# Altium PCB Comparator2.0.PcbDoc
Units mil, origin at the board's own origin, x right, y up, seen from the top; angles counter-clockwise.
Board outline 1939 x 1842 mil, 2 copper layers (Top Layer, Bottom Layer); 36 components, 18 nets, 129 pads, 168 vias.
Unrouted connection lines stored in the file: 20.
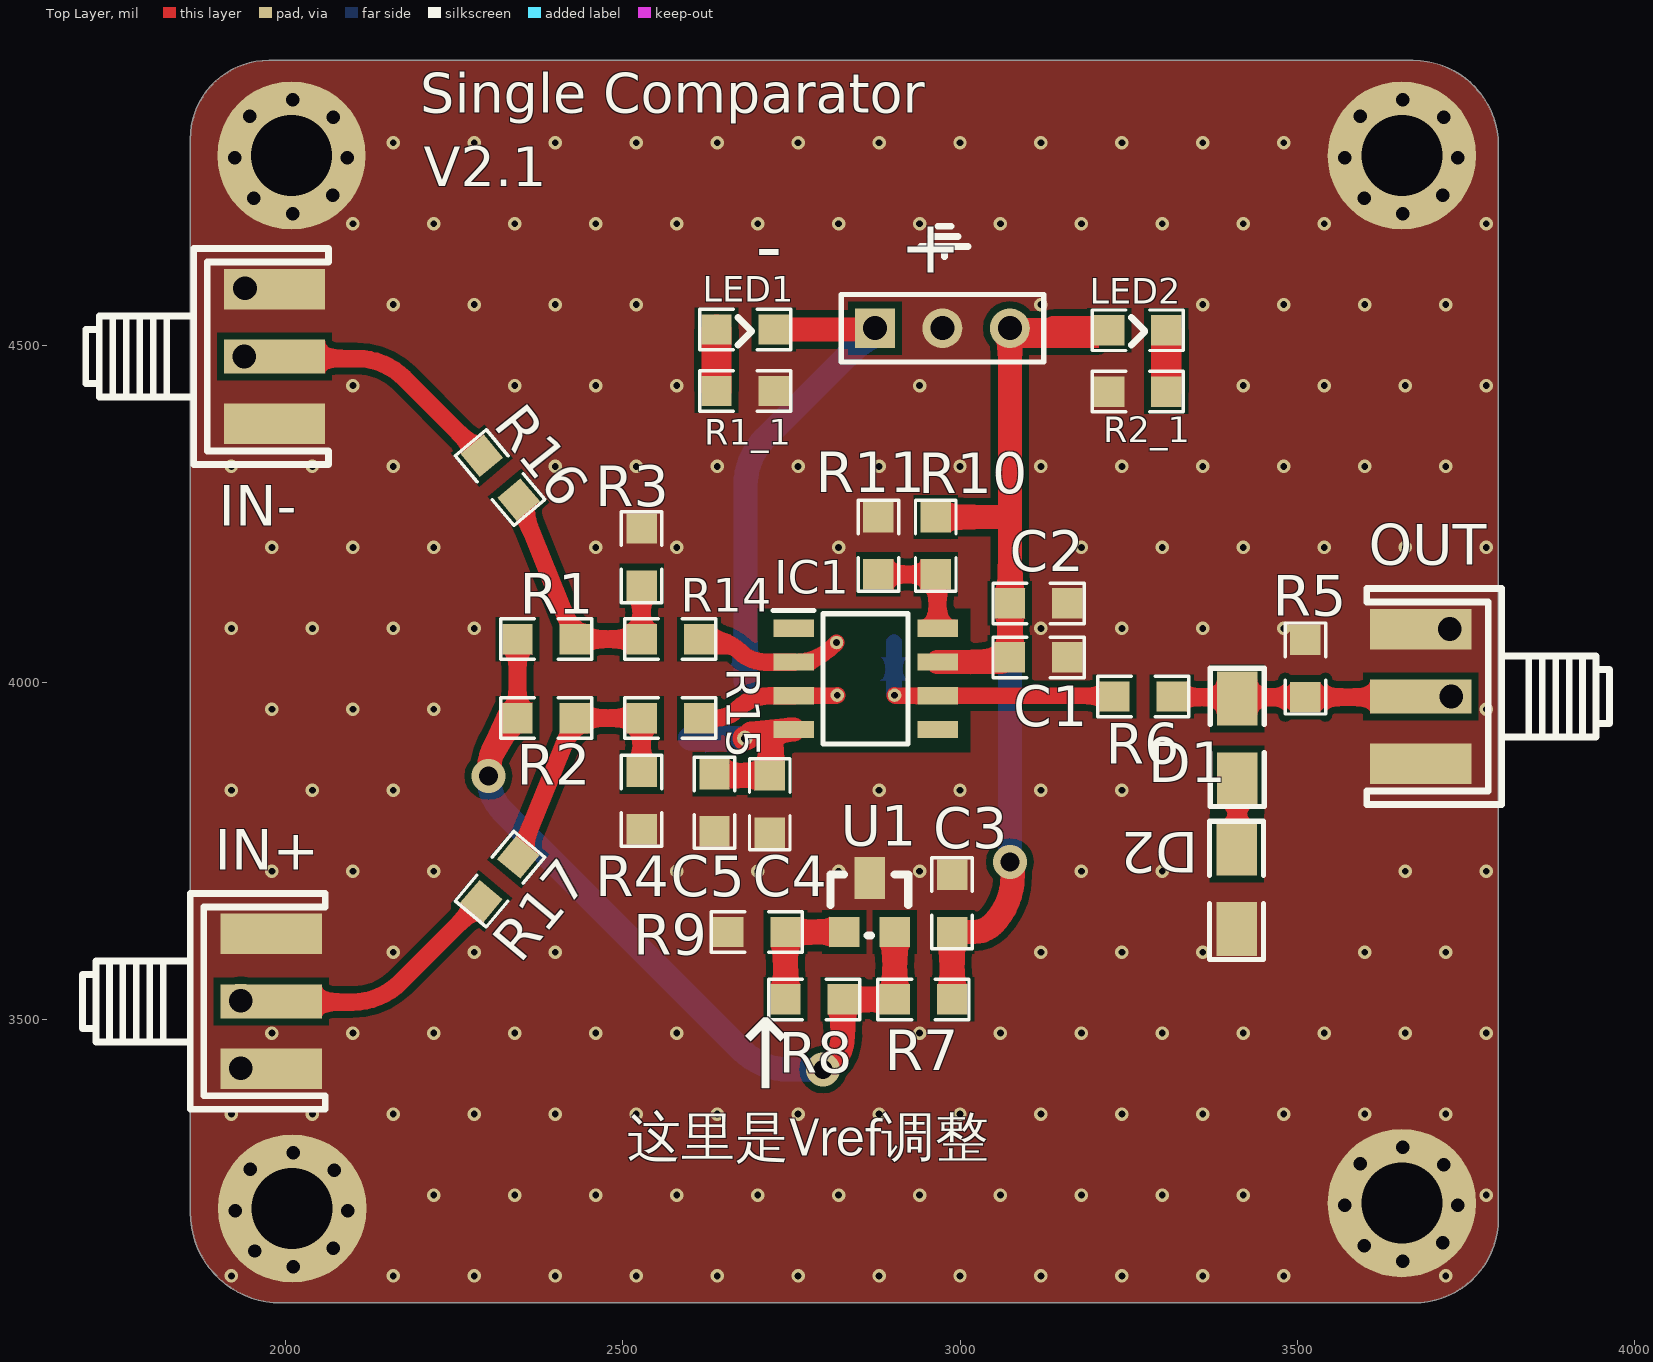
[diagram p0: Top Layer view]
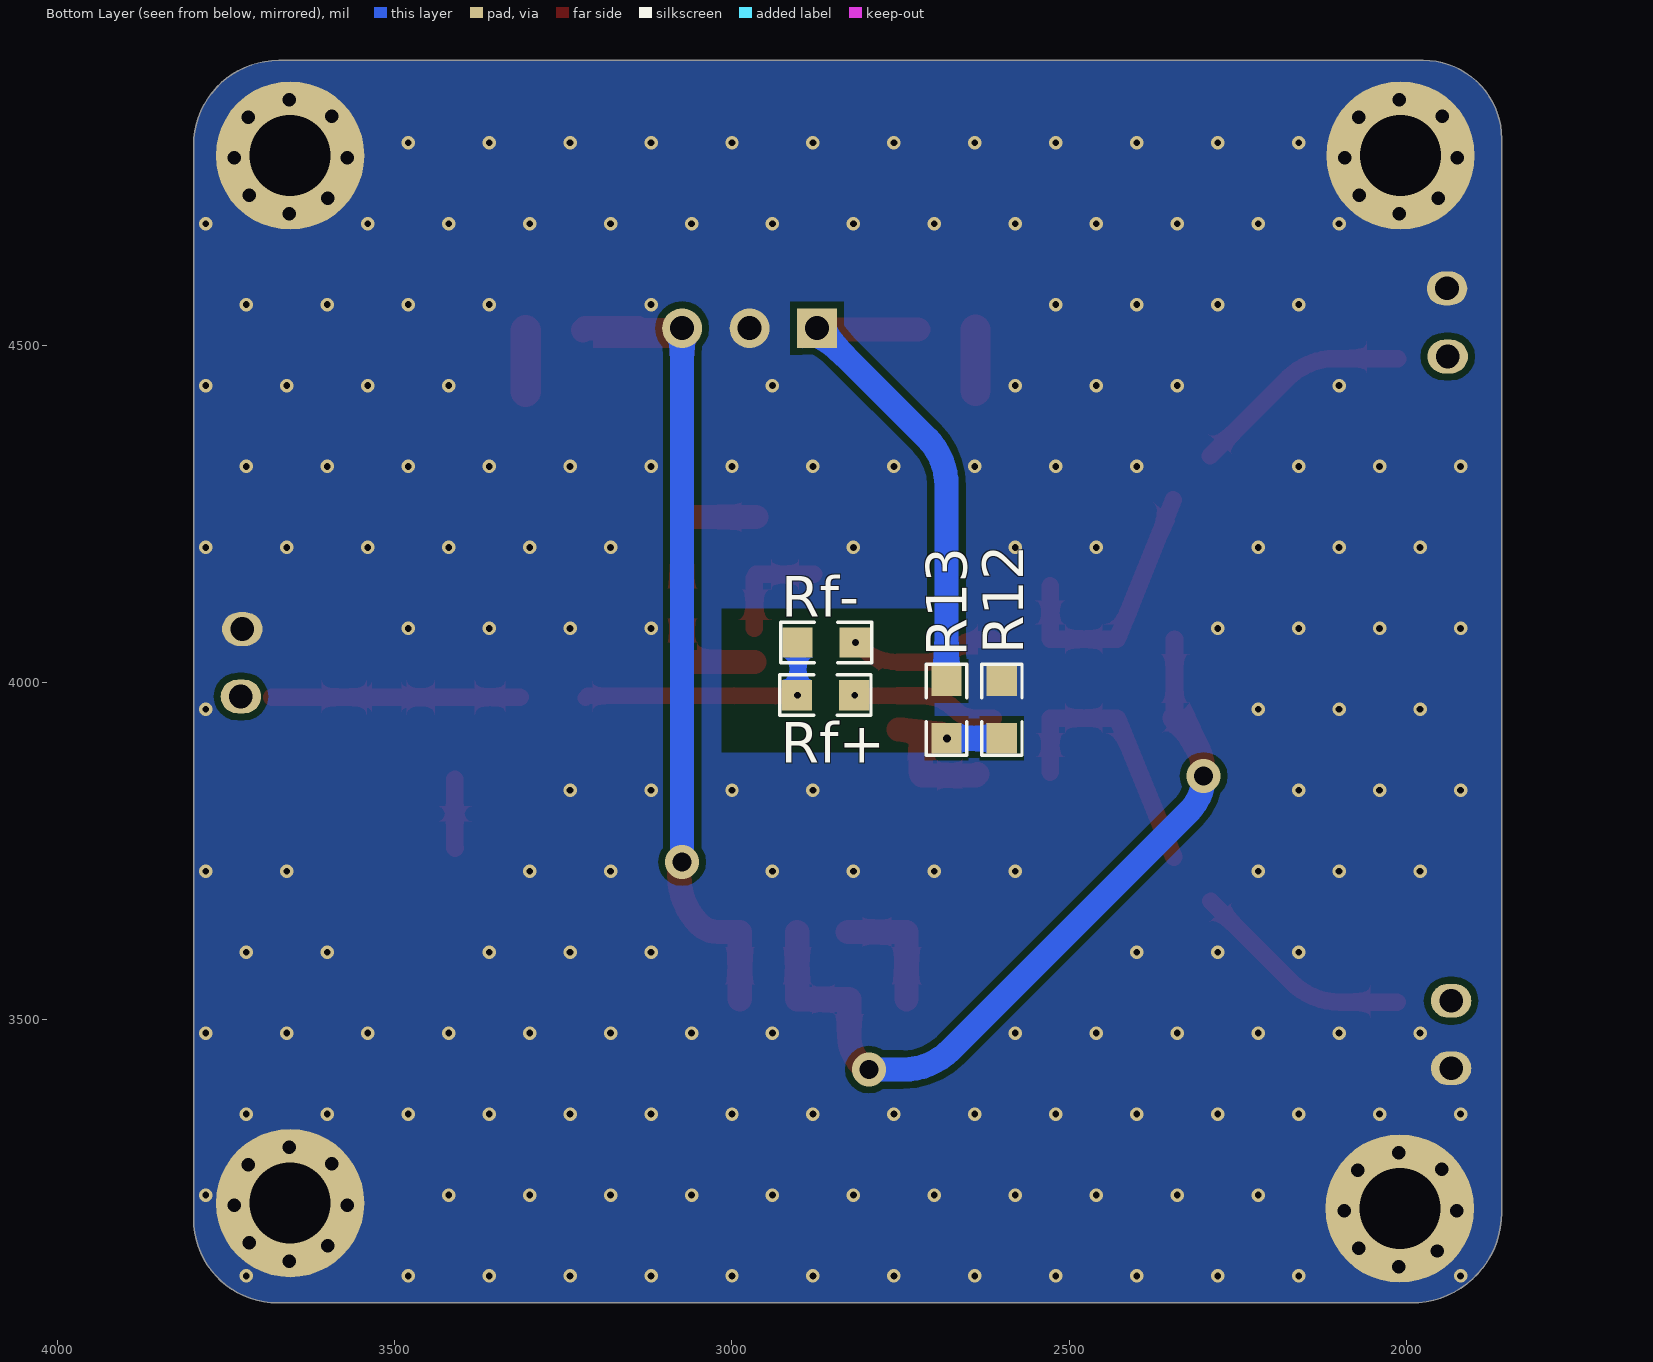
[diagram p1: Bottom Layer view, seen from below]

## Layer stack, top to bottom
Top Solder: solder mask 0.4, Solder Resist, Dk 3.5
Top Layer: signal copper 1.4
Dielectric 1: dielectric 12.6, FR-4, Dk 4.8
Bottom Layer: signal copper 1.4
Bottom Solder: solder mask 0.4, Solder Resist, Dk 3.5

## Board outline
1992.96,3080 cw(c1992.96,3213.96) 1859,3213.96 1859,4805.94 cw(c1975.06,4805.94) 1975.06,4922 3671.98,4922 cw(c3671.98,4795.98) 3798,4795.98 3798,3204.58 cw(c3673.42,3204.58) 3673.42,3080

## Design rules (kind name [scope] priority, off if disabled: settings)
Clearance [All] p1: gap=10 ignorepadtopadclearanceinfootprint=FALSE except(0: Arc-Hole Track-Hole SMDPad-Hole THPad-Hole Via-Hole Fill-Hole Poly-Hole Region-Hole Text-Hole)
PlaneConnect [All] p1: planeconnectstyle=Direct reliefexpansion=20 reliefentries=4 reliefconductorwidth=10 reliefairgap=10
PolygonConnect [All] p1: connectstyle=Direct reliefconductorwidth=10 reliefentries=4 polygonreliefangle="90 Angle" airgapwidth=10
RoutingVias [All] p1: holewidth=28 width=50 viastyle="Through Hole" minholewidth=10 minwidth=10 maxholewidth=50 maxwidth=60
SolderMaskExpansion [All] p1: expansion=4
Width [All] p1: maxlimit=50 minlimit=10 preferedwidth=26 minimp=50.000000 maximp=50.000000 favimp=50.000000
29 further rules are at their usual default settings.

## Classes and differential pairs
component class Comparator: C1 C2 C3 C4 C5 D1 D2 IC1 IN- R1 R2 R3 R4 R5 R6 R7 R8 R9 R10 R11 R12 R13 R14 R15 R16 R17 U1

## Components (designator, comment, footprint, x,y, rotation, side; value= is the part's Value field where it differs from the comment)
"-     +" "Header 3" HDR1X3 2874,4525 r0 top (schematic designator P2)
C1 "Cap" 0805D 3079,4037 r0 top value=0.1u
C2 "Cap" 0805D 3079,4117 r0 top value=2.2u
C3 "Cap" 0805D 2988.31,3710 r270 top value=2.2u
C4 "Cap" 0805D 2718,3857 r270 top value=0.1u
C5 "Cap" 0805D 2636,3859 r270 top value=2.2u
D1 "Diode" 1206A 3411,3996 r270 top
D2 "Diode" 1206A 3410,3614 r90 top
IC1 "TLV3501AID" SOIC127P600X175-8N 2860,4005 r0 top
IN+ "SMA" SMA1 1979,3627 r0 top (schematic designator P7)
IN- "SMA" SMA1 1984,4583 r0 top (schematic designator P5)
LED1 "" 0805D 2644,4523 r0 top
LED2 "" 0805D 3226,4522 r0 top
OUT "SMA" SMA1 3683,3879 r180 top (schematic designator P6)
R1 "Res3" 0805D 2424,4064 r180 top value=3K
R1_1 "Res3" 0805D 2719,4432 r180 top value=1k (schematic designator R1)
R2 "Res3" 0805D 2424,3947 r180 top value=3K
R2_1 "Res3" 0805D 3226,4431 r0 top value=1k (schematic designator R2)
R3 "Res3" 0805D 2528,4223 r270 top value=50
R4 "Res3" 0805D 2528,3787 r90 top value=50
R5 "Res3" 0805D 3512,4058 r270 top value=50
R6 "Res3" 0805D 3309,3979 r180 top value=50
R7 "Res3" 0805D 2983.31,3530 r180 top value=430
R8 "Res3" 0805D 2746.31,3530 r0 top value=3K
R9 "Res3" 0805D 2661.31,3630 r0 top value=470
R10 "Res3" 0805D 2964,4240 r270 top value=0
R11 "Res3" 0805D 2879,4240 r270 top value=0
R12 "Res3" 0805D 2600,3997 r270 bottom value=0
R13 "Res3" 0805D 2682,3997 r270 bottom value=0
R14 "Res3" 0805D 2608,4064 r180 top value=0
R15 "Res3" 0805D 2608,3947 r180 top value=0
R16 "Res3" 0805D 2342.42,4274.72 r130 top value=0
R17 "Res3" 0805D 2342,3737 r230 top value=0
Rf+ "Res3" 0805D 2899,3981 r180 bottom value=3K (schematic designator Rf)
Rf- "Res3" 0805D 2898,4059 r180 bottom value=3K (schematic designator Rf)
U1 "TL431_C963380" SOT-23 2828.31,3630 r0 top

## Footprints (in the part's own frame and the unit in brackets; to place one, negate y for a bottom-side part, rotate by r counter-clockwise, add the part's x,y. Pads: shape width x height; smd on the part's side, far side on the other; paste and mask are expansions set on the pad)
0805D [mil]
  rect 45x45 smd: 1(-5,0) 2(80,0)
  silkscreen extent -30,-30 105,30
1206A [mil]
  rect 80x60 smd: 1(20,0) 2(140,0)
  silkscreen extent -25,-40 180,40
HDR1X3 [mm] "Connector; Header; 3 Position"
  rect 1.5x1.5 hole 0.9: 1(0,0)
  round 1.5 hole 0.9: 2(2.54,0) 3(5.08,0)
  silkscreen extent -1.27,-1.27 6.35,1.27
SMA1 [mil]
  rect 150x50 smd: 1(0,-100)
  rect 150x60 smd: 2(0,-200) 2(0,0)
  silkscreen extent -280,-260 80,60
SOIC127P600X175-8N [mm]
  rect 1.525x0.65 smd: 1(-2.712,1.905) 2(-2.712,0.635) 3(-2.712,-0.635) 4(-2.712,-1.905) 5(2.712,-1.905) 6(2.712,-0.635) 7(2.712,0.635) 8(2.712,1.905)
  silkscreen extent -3.47,-2.45 1.6,2.58, body extent -3,-2.45 3,2.45, height 1.75
SOT-23 [mil]
  rect 45x45 smd: B(0,0) E(75,0)
  rect 45x62 smd: C(38,80)
  silkscreen extent -20,-5 95,85

## Part data
"-     +": "Header, 3-Pin", LatestRevisionDate=17-Jul-2002, LatestRevisionNote="Re-released for DXP Platform.", Publisher="Altium Limited"
C1 C2 C3 C4 C5: "Capacitor", LatestRevisionDate=17-Jul-2002, LatestRevisionNote="Re-released for DXP Platform.", PackageDescription="Radial Cap, Thru-Hole; 2 Leads; 0.3 in Pin Spacing", PackageReference=RAD-0.3, Published=8-Jun-2000, Publisher="Altium Limited"
D1 D2: "Default Diode", Code_JEDEC=DO-214-AB, LatestRevisionDate=17-Jul-2002, LatestRevisionNote="Re-released for DXP Platform.", PackageDescription="DO-214-AB/SMC; 2 C-Bend Leads; Body 7.9 x 5.9 mm, inc. leads (LxW)", PackageReference=SMC, PackageVersion=Sep-1996, Published=8-Jun-2000, Publisher="Altium Limited"
IC1: "Integrated Circuit", Manufacturer_Name="Texas Instruments", Mouser Part Number=595-TLV3501AID, Arrow Part Number=TLV3501AID, Arrow Price/Stock=https://www.arrow.com/en/products/tlv3501aid/texas-instruments, Datasheet Link=http://www.ti.com/lit/ds/symlink/tlv3501.pdf, Height=1.75mm, Manufacturer_Part_Number=TLV3501AID, Mouser Price/Stock=https://www.mouser.co.uk/ProductDetail/Texas-Instruments/TLV3501AID?qs=m96fseALk3X7x6f01EkGWg%3D%3D
IN+ IN- OUT: library part BNC, "BNC Elbow Connector", LatestRevisionDate=17-Jul-2002, LatestRevisionNote="Re-released for DXP Platform.", Publisher="Altium Limited"
LED1 LED2: library part LED-SMD, "贴片LED"
R1 R1_1 R2 R2_1 R3 R4 R5 R6 R7 R8 R9 R10 R11 R12 R13 R14 R15 R16 R17 Rf+ Rf-: "Resistor", LatestRevisionDate=29-May-2009, LatestRevisionNote="IPC-7351 Footprint Added.", PackageDescription="Chip Resistor", PackageReference=J1-0603, Published=8-Jun-2000, Publisher="Altium Limited"
U1: library part TL431, BOM_Manufacturer=JSMSEMI, BOM_Manufacturer Part=TL431, BOM_Supplier=LCSC, BOM_Supplier Part=C963380, Contributor=LCSC, spicePre=U, spiceSymbolName=TL431_C963380

## Free pads (board coordinates)
  round 220 hole 120: 0(2009,4781) 0(2010,3220) 0(3655,3228) 0(3655,4781)
  round 40 hole 20: 8(1924.67,4777.72) 8(1925.67,3216.72) 8(1947,4839) 8(1948,3278) 8(1953.31,4718) 8(1954.31,3157) 8(2010.67,4694.72) 8(2010.67,4863.72) 8(2011.67,3133.72) 8(2011.67,3302.72) 8(2070,4722) 8(2071,3161) 8(2071,4838) 8(2072,3277) 8(2091.56,4777.72) 8(2092.56,3216.72) 8(3570.67,3224.72) 8(3570.67,4777.72) 8(3593,3286) 8(3593,4839) 8(3599.31,3165) 8(3599.31,4718) 8(3656.67,3141.72) 8(3656.67,3310.72) 8(3656.67,4694.72) 8(3656.67,4863.72) 8(3716,3169) 8(3716,4722) 8(3717,3285) 8(3717,4838) 8(3737.56,3224.72) 8(3737.56,4777.72)
  oval 60x50 hole 35: 9(1934,3428) 9(1934,3528) 9(1939,4483) 9(1940,4584) 9(3726,4079) 9(3728,3979)
  round 23 hole 12: 9(2681,3917)
  round 20 hole 10: 9(2817,4059) 9(2818,3981) 9(2903,3981)

## Via types
v1: diameter 20, hole 10, Top Layer to Bottom Layer, 165 vias
v2: diameter 50, hole 28, Top Layer to Bottom Layer, 3 vias

## Nets (pads, with @x,y where several pads share a name; then routed paths per layer and width w, separated by ;. In a path a pad name is that pad's centre, name@x,y a point inside that pad or via, vN(x,y) a via of type N, cw(c..) or ccw(c..) an arc to the next point about the centre after c; other vN are vias at no path point)
GND: "-     +.2" C1.2 C2.2 C3.1 C4.2 C5.2 D2.1 IN+.2 IN-.2 OUT.2 pad.0 pad.8 pad.9@1934,3428 pad.9@1940,4584 pad.9@3726,4079 R1_1.1 R2_1.1 R3.1 R4.1 R5.1 R9.1 R11.1 R12.1 U1.C
  other v1: 1920,3120 2160,3120 2280,3120 2400,3120 2520,3120 2640,3120 2760,3120 2880,3120 3000,3120 3120,3120 3240,3120 3360,3120 3480,3120 3720,3120 2220,3240 2340,3240 2460,3240 2580,3240 2700,3240 2820,3240 2940,3240 3060,3240 3180,3240 3300,3240 3420,3240 3780,3240 1920,3360 2040,3360 2160,3360 2280,3360 2400,3360 2520,3360 2640,3360 2760,3360 2880,3360 3000,3360 3120,3360 3240,3360 3360,3360 3480,3360 3600,3360 3720,3360 1980,3480 2100,3480 2220,3480 2340,3480 2460,3480 2580,3480 2940,3480 3060,3480 3180,3480 3300,3480 3420,3480 3540,3480 3660,3480 3780,3480 2160,3600 2280,3600 2400,3600 3120,3600 3240,3600 3360,3600 3600,3600 3720,3600 1980,3720 2100,3720 2220,3720 2580,3720 2700,3720 2820,3720 2940,3720 3180,3720 3300,3720 3660,3720 3780,3720 1920,3840 2040,3840 2160,3840 2880,3840 3000,3840 3120,3840 3240,3840 1980,3960 2100,3960 2220,3960 3780,3960 1920,4080 2040,4080 2160,4080 2280,4080 3120,4080 3240,4080 3360,4080 3480,4080 1980,4200 2100,4200 2220,4200 2460,4200 2580,4200 2820,4200 3180,4200 3300,4200 3420,4200 3540,4200 3660,4200 3780,4200 1920,4320 2040,4320 2160,4320 2400,4320 2520,4320 2640,4320 2760,4320 2880,4320 3000,4320 3120,4320 3240,4320 3360,4320 3480,4320 3600,4320 3720,4320 2100,4440 2340,4440 2460,4440 2580,4440 2940,4440 3420,4440 3540,4440 3660,4440 3780,4440 2160,4560 2280,4560 2400,4560 2520,4560 3120,4560 3360,4560 3480,4560 3600,4560 3720,4560 2100,4680 2220,4680 2340,4680 2460,4680 2580,4680 2700,4680 2820,4680 2940,4680 3060,4680 3180,4680 3300,4680 3420,4680 3540,4680 3780,4680 2160,4800 2280,4800 2400,4800 2520,4800 2640,4800 2760,4800 2880,4800 3000,4800 3120,4800 3240,4800 3360,4800 3480,4800
IN+: IN+.1 pad.9@1934,3528 R17.2 | length 334.3
  Top Layer w26: IN+.1@2014,3526 2099.44,3526 ccw(c2099.44,3626) 2170.15,3555.29 R17.2
IN-: IN-.1 pad.9@1939,4483 R16.2 | length 333.3
  Top Layer w26: IN-.1@2013,4480 2105.58,4480 cw(c2105.58,4380) 2176.29,4450.71 R16.2
LED1: LED1.1 R1_1.2 | length 91
  Top Layer w45: R1_1.2 LED1.1
LED2: LED2.2 R2_1.2 | length 91
  Top Layer w45: R2_1.2 LED2.2
NetC1_2: IC1.8 R10.2 R11.2 | length 165.7
  Top Layer w26: R11.2 R10.2 cw(c2957.31,4153.31) 2966.77,4153.31 IC1.8
NetD1_2: D1.2 D2.2 | length 102.4
  Top Layer w26: D2.2 3411,3755 D1.2
NetIC1_4: C4.1 C5.1 IC1.4 pad.9@2681,3917 R12.2 R13.2 | length 329
  Top Layer w36: C5.1 ccw(c2640.83,3868.83) 2640.83,3862 C4.1 ccw(c2713.17,3866.83) 2720,3866.83 2720,3917 cw(c2751.38,3885.62) IC1.4@2742.25,3929.05 ; pad.9@2681,3917 ccw(c2681,3924.15) 2686.04,3919.08 2690.64,3923.68 IC1.4@2742.25,3929.05 ; IC1.4 IC1.4@2751.38,3930 ; IC1.4@2742.25,3929.05 cw(c2751.38,3885.62) IC1.4@2751.38,3930 ; IC1.4@2742.25,3929.05 IC1.4@2751.38,3930
  Bottom Layer w36: R12.2 pad.9@2681,3917
NetR1_1: R1.1 R3.2 R14.2 R16.1 | length 401.1
  Top Layer w26: R16.1 R1.1 R14.2 R3.2
NetR2_1: R2.1 R4.2 R15.2 R17.1 | length 401.5
  Top Layer w26: R17.1 R2.1 R15.2 R4.2
NetR8_1: R8.1 R9.2 U1.B | length 187
  Top Layer w36: R8.1 R9.2 U1.B
out: D1.1 OUT.1 pad.9@3728,3979 R5.2 R6.1 | length 368
  Top Layer w26: R6.1@3314,3978 OUT.1@3682,3978
out_f: IC1.6 pad.9@2903,3981 R6.2 Rf+.1 Rf-.1 | length 394
  Top Layer w24: pad.9@2903,3981 ccw(c2905.41,3983.41) 2905.41,3980 IC1.6 3214,3980 R6.2@3217,3977
  Bottom Layer w24: Rf-.1@2902,4059 2902,3985.83 ccw(c2908.83,3985.83) Rf+.1
out_f+: IC1.3 pad.9@2818,3981 R15.1 Rf+.2 | length 214.1
  Top Layer w24: IC1.3 2815.59,3980 ccw(c2815.59,3983.41) pad.9@2818,3981
  Top Layer w26: R15.1 2638.62,3947 ccw(c2638.62,3991.38) 2670,3960 cw(c2718.28,3911.72) 2718.28,3980 IC1.3
out_f-: IC1.2 pad.9@2817,4059 R14.1 Rf-.2 | length 221.5
  Top Layer w24: IC1.2 ccw(c2753.23,4113.95) 2812.59,4054.59 pad.9@2817,4059
  Top Layer w26: R14.1 2629.54,4064 cw(c2629.54,4002.54) 2673,4046 ccw(c2711.63,4084.63) 2711.63,4030 IC1.2
VCC: "-     +.3" C1.1 C2.1 C3.2 IC1.7 LED2.1 R7.1 R10.1 | length 1913.8
  Top Layer w36: R10.1 3071.59,4245 cw(c3071.59,4241.59) 3074,4244 ; IC1.7 3057.1,4030 ccw(c3057.1,4053.9) C1.1 C2.1 3074,4244 ; R7.1 C3.2 3020.44,3630 ccw(c3020.44,3669.98) 3048.71,3641.71 ccw(c2978,3712.42) 3078,3712.42 3078,3724 cw(c3087.66,3733.66) v2(3074,3733.66) ; LED2.1 3218,4525 3138.74,4525 3135.74,4522 3077,4522 3074,4525 3074,4244
  Bottom Layer w36: v2(3074,3733.66) 3074,4525
VDD: "-     +.1" LED1.2 R13.1 | length 749.1
  Top Layer w36: LED1.2 2872,4523 2874,4525
  Bottom Layer w36: R13.1 2682,4291.58 cw(c2782,4291.58) 2711.29,4362.29 2874,4525
Vref: R1.2 R2.2 R7.2 R8.2 U1.E | length 1195.9
  Top Layer w26: R2.2 R1.2
  Top Layer w36: v2(2301,3861) 2301,3862.58 cw(c2401,3862.58) 2330.29,3933.29 R2.2 ; v2(2797,3426) ccw(c2797,3435.66) 2803.83,3428.83 2809,3434 ccw(c2767.21,3475.79) 2826.31,3475.79 R8.2 R7.2 U1.E
  Bottom Layer w36: v2(2301,3861) ccw(c2375.84,3861) 2322.92,3808.08 2675.71,3455.29 ccw(c2746.42,3526) 2746.42,3426 v2(2797,3426)
pads on no net: IC1.1 IC1.5

## Polygon pours and split planes (outlines as drawn)
GND on Top Layer "GND_L01_P012" (solid, remove dead copper, pour order 12): 1992.96,3080 cw(c1992.96,3213.96) 1859,3213.96 1859,4805.94 cw(c1975.06,4805.94) 1975.06,4922 3671.98,4922 cw(c3671.98,4795.98) 3798,4795.98 3798,3204.58 cw(c3673.42,3204.58) 3673.42,3080
GND on Bottom Layer "GND_L02_P013" (solid, remove dead copper, pour order 13): 1992.96,3080 cw(c1992.96,3213.96) 1859,3213.96 1859,4805.94 cw(c1975.06,4805.94) 1975.06,4922 3671.98,4922 cw(c3671.98,4795.98) 3798,4795.98 3798,3204.58 cw(c3673.42,3204.58) 3673.42,3080

## Other copper
Top Layer:
  rectangle net VCC: 3091,4496 3206,4512
  pour cut-out: 2700.39,4108.82 3015,4108.82 3015,3896 2700.39,3896
Bottom Layer:
  pour cut-out: 2700.39,4108.82 3015,4108.82 3015,3896 2700.39,3896

## Silkscreen, mask and mechanical layers (free items; w line width, h text height)
Top Overlay:
  lines w10: 2671,4500 2691,4520 ; 2671,4541 2691,4521 ; 2942,4646 3012,4646 ; 2957,4661 2997,4661 ; 2967,4676 2987,4676 ; 2977,4631 2977,4641 ; 3254,4500 3274,4520 ; 3254,4541 3274,4521
  text "Single Comparator" at 2200,4825 h100
  text "V2.1" at 2205,4716 h100
  text "←" at 2632,3510 h180 r270
  text "这里是Vref调整" at 2507,3279 h100
Top Solder:
  drawing of 755 lines, arcs and shapes, not listed
  text "←供电" at 3241,4583 h150
Bottom Solder:
  drawing of 989 lines, arcs and shapes, not listed
  text "Designed By" at 2619,3277 h80
  text "NoFelReg" at 2478,3170 h80
Mechanical 1:
  lines w10: 1859,3213.96 ccw(c1992.96,3213.96) 1992.96,3080 3673.42,3080 ccw(c3673.42,3204.58) 3798,3204.58 3798,4795.98 ccw(c3671.98,4795.98) 3671.98,4922 2006,4922 1975.06,4922 ccw(c1975.06,4805.94) 1859,4805.94 1859,3213.96